# Altium PCB openmv-ae3.PcbDoc (part 1 of 5) (continued)
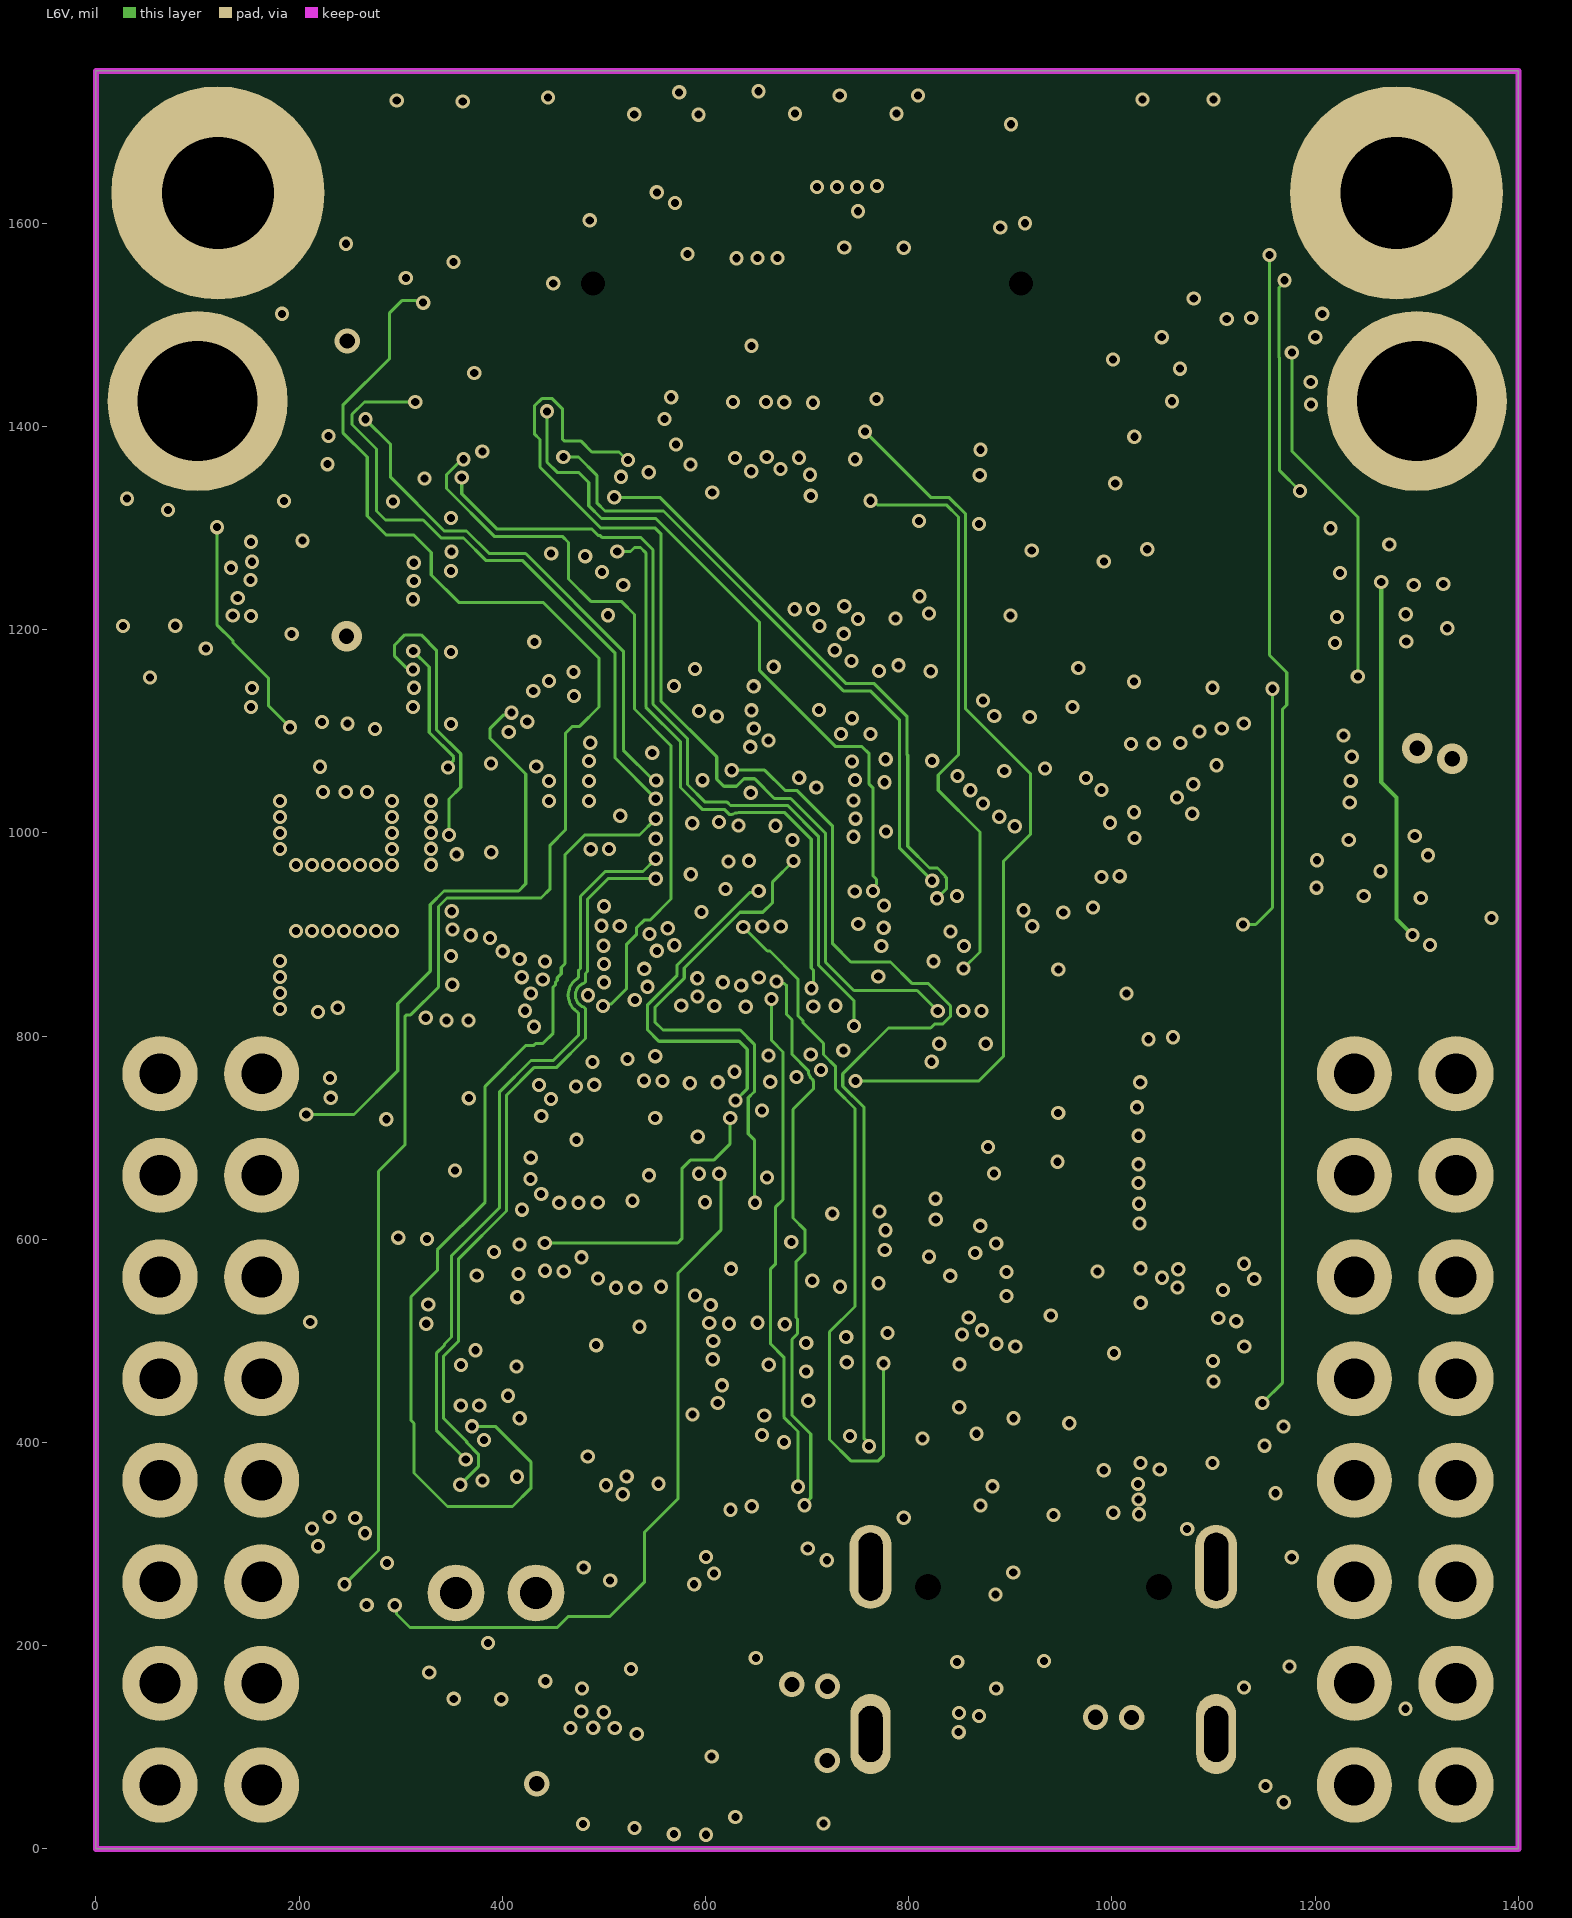
[diagram p6: L6V]
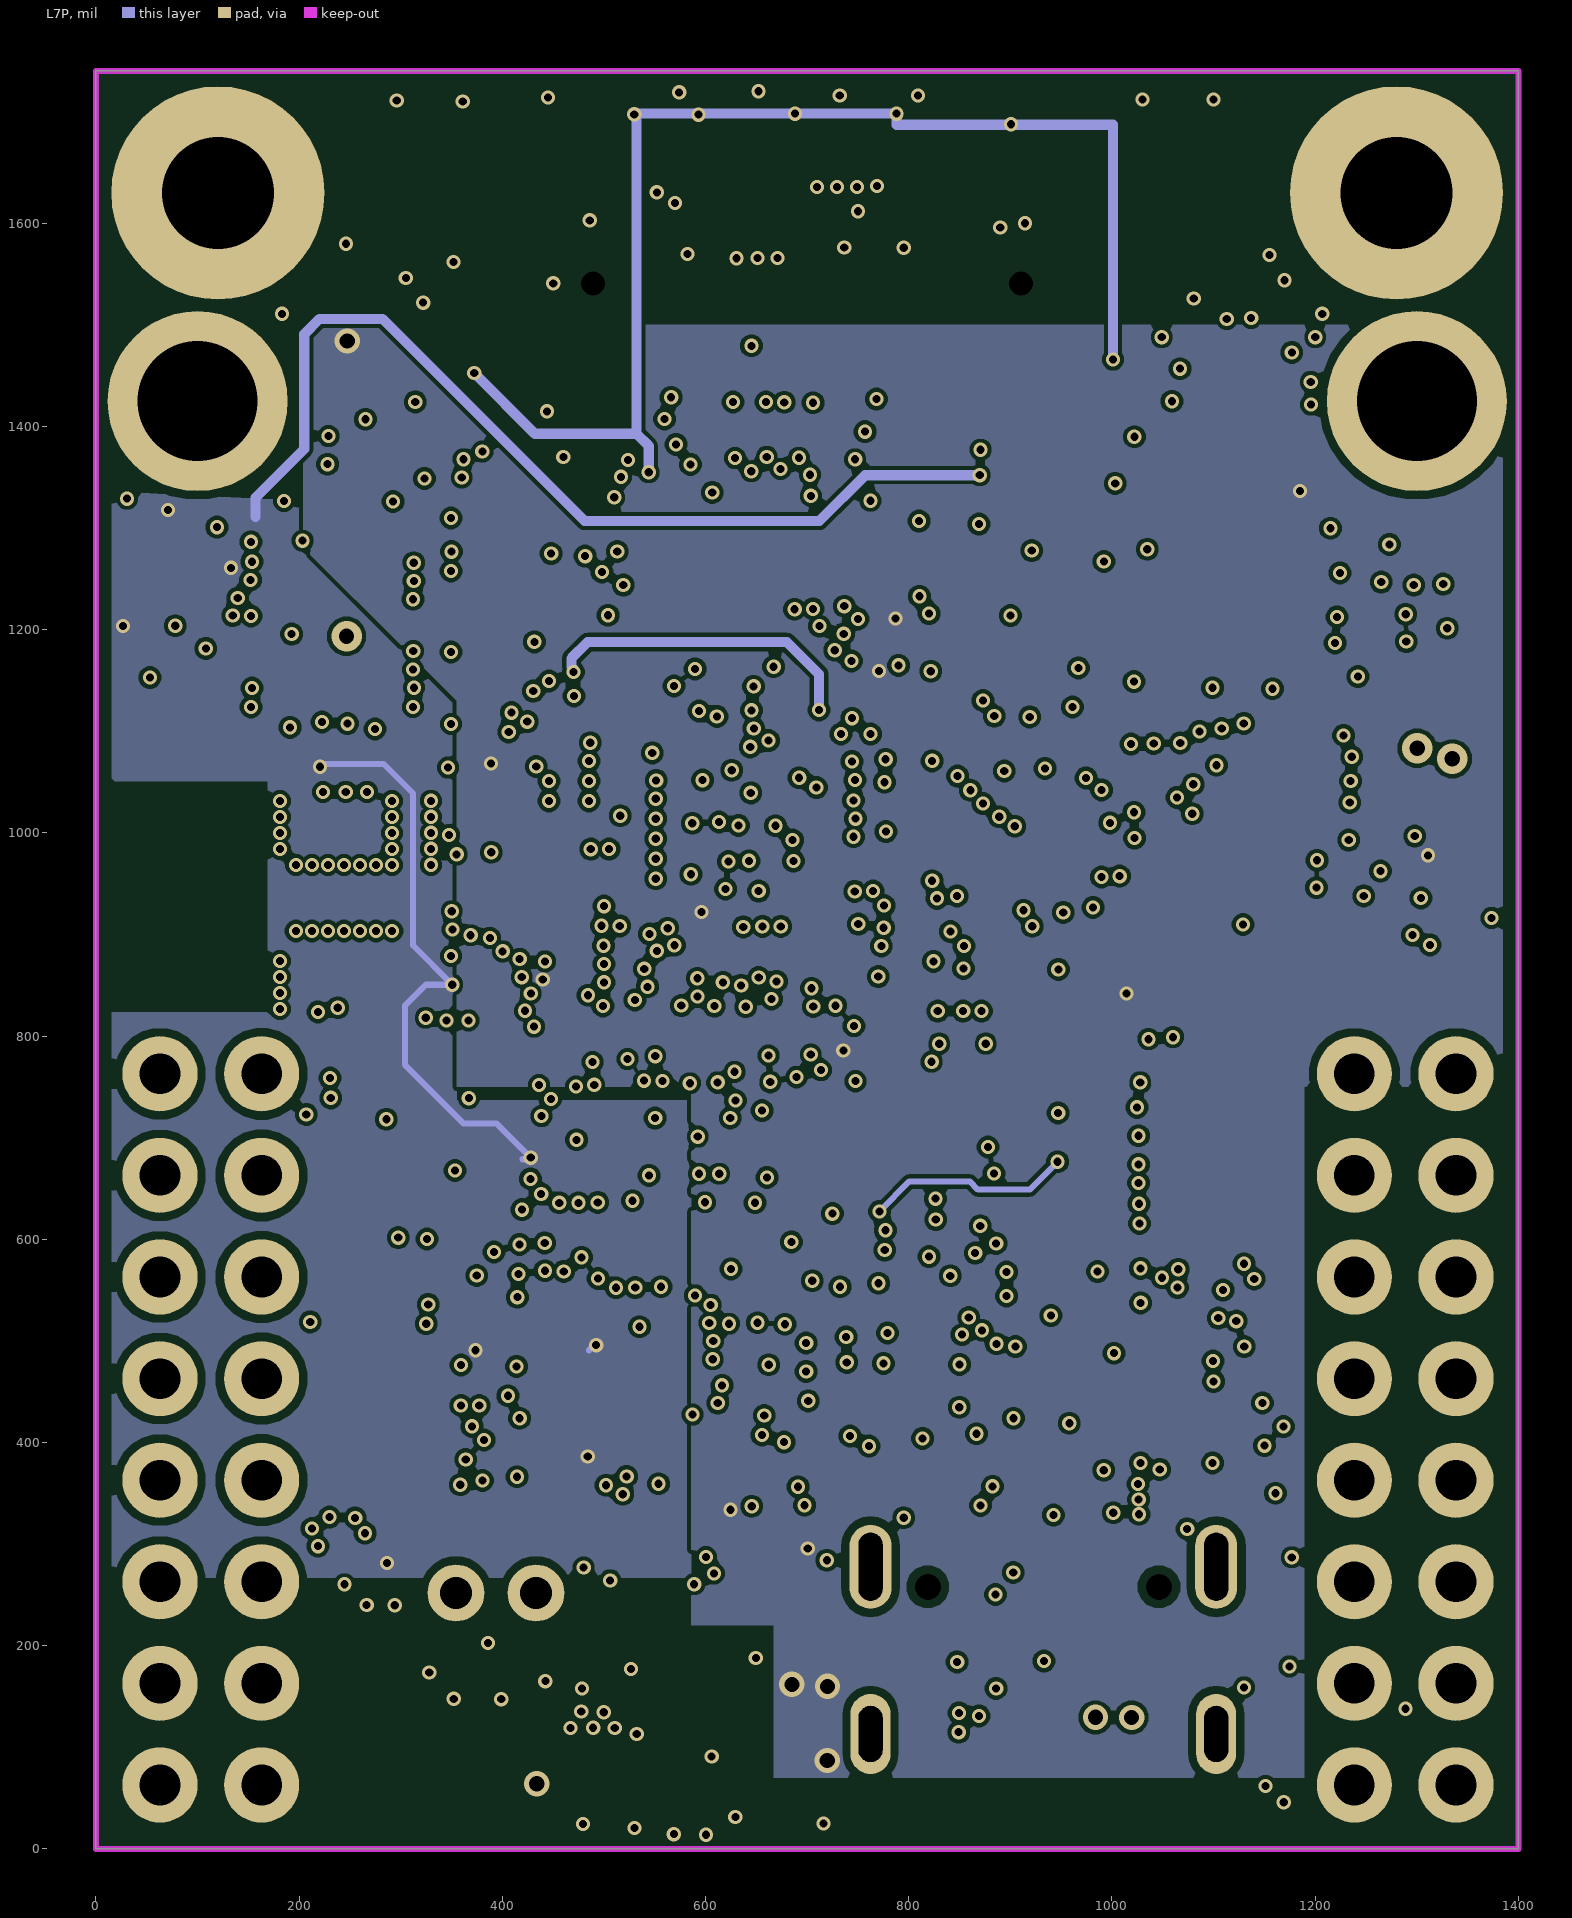
[diagram p7: L7P]
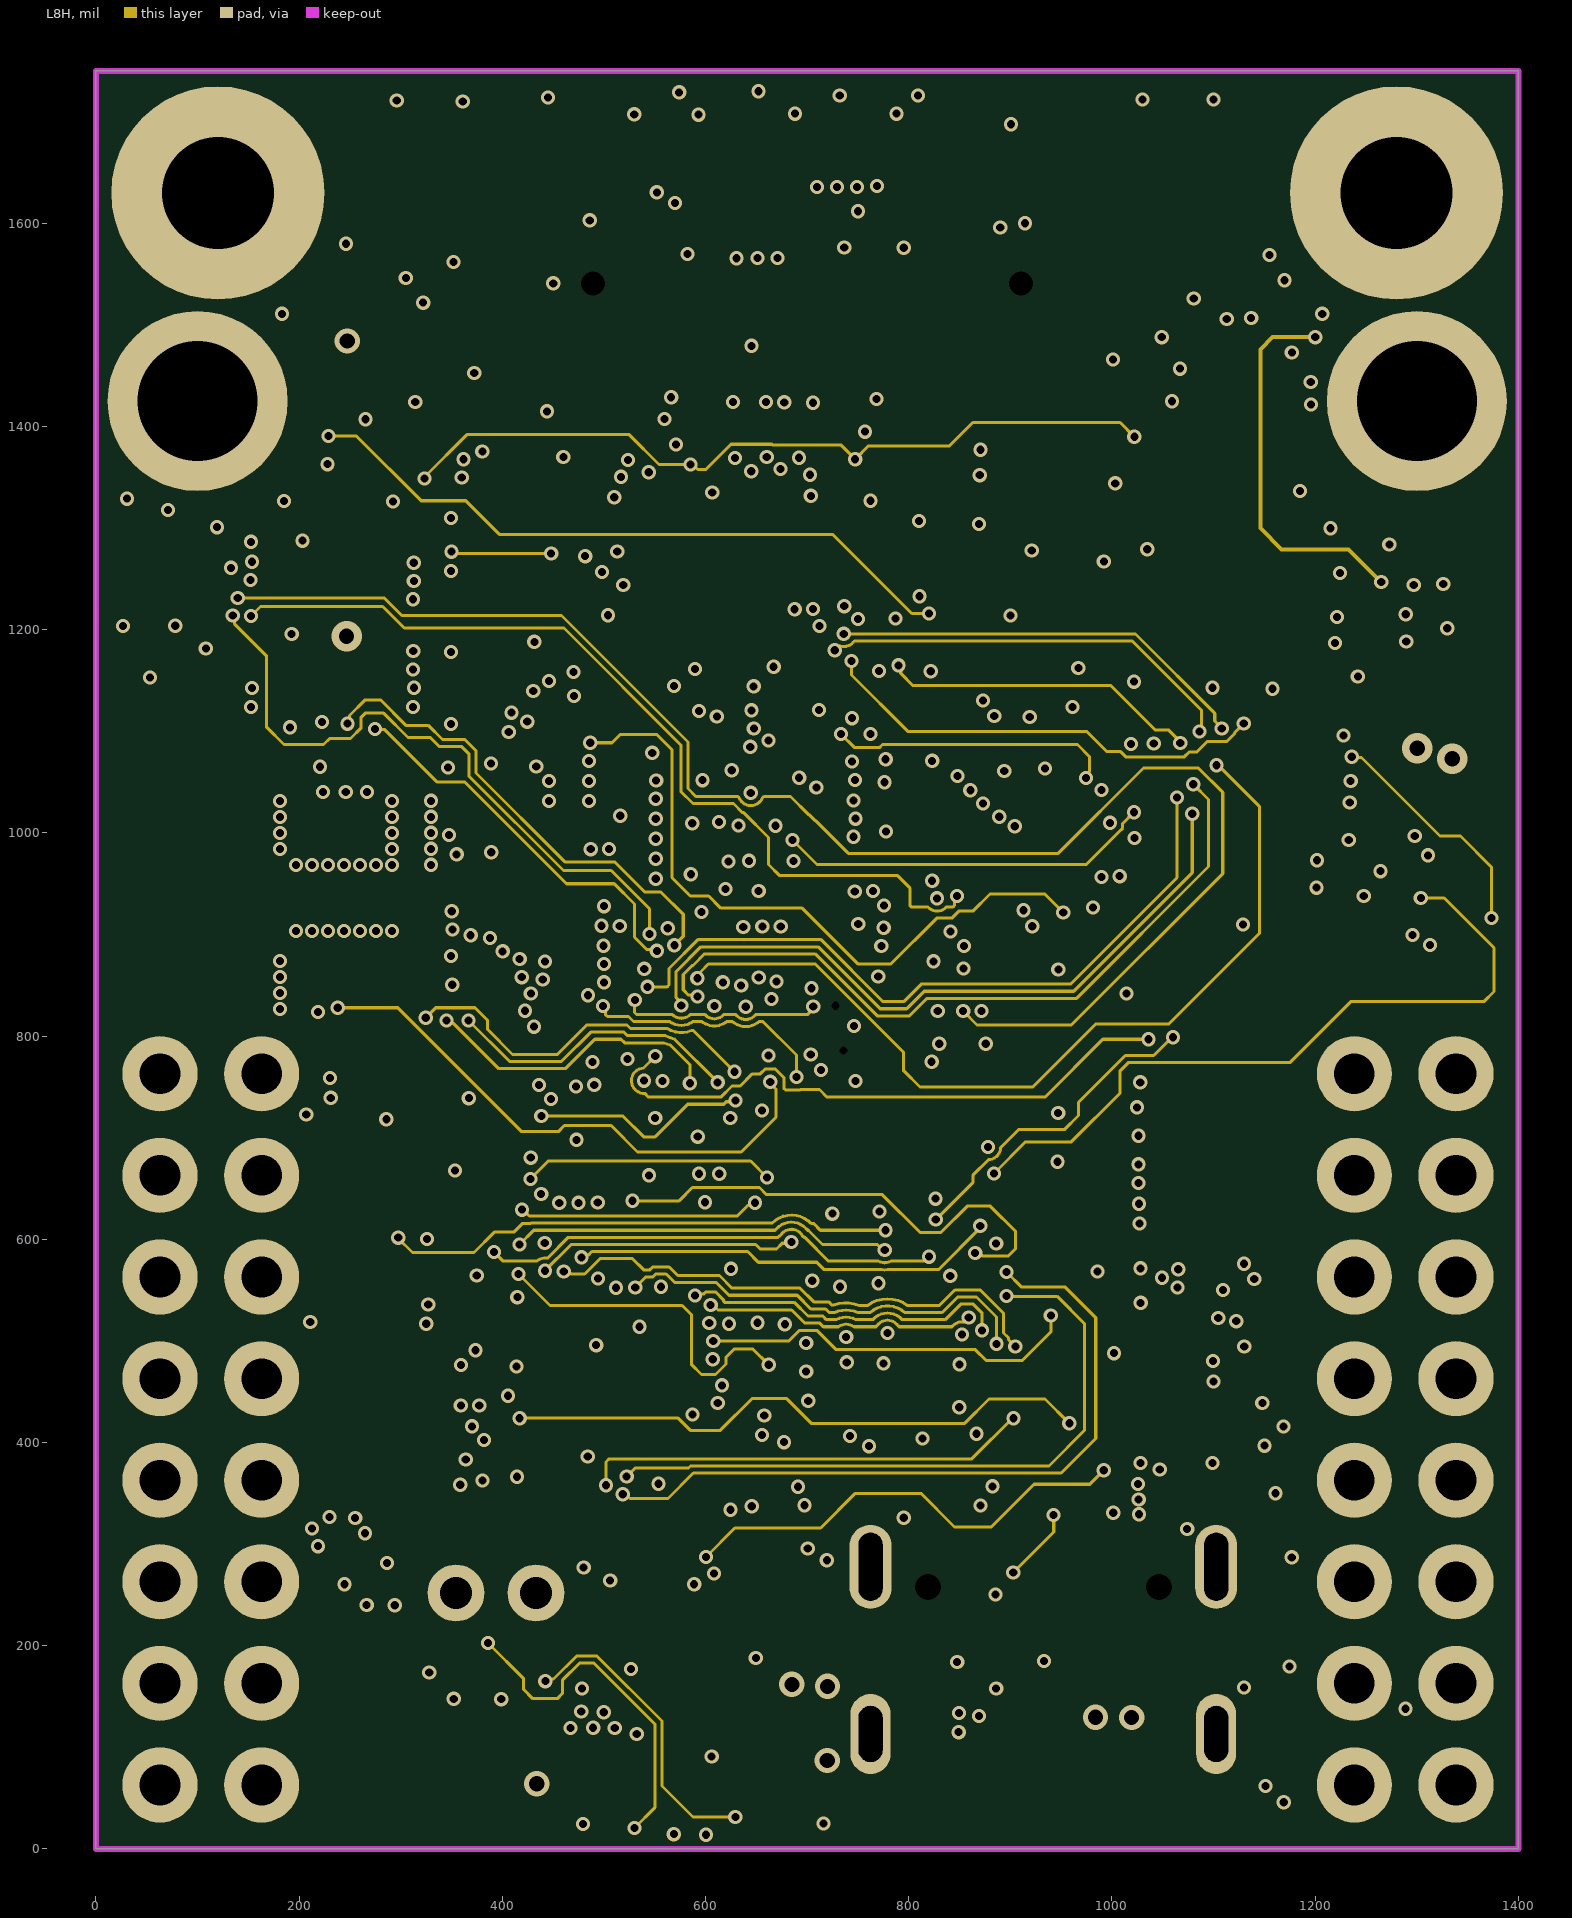
[diagram p8: L8H]
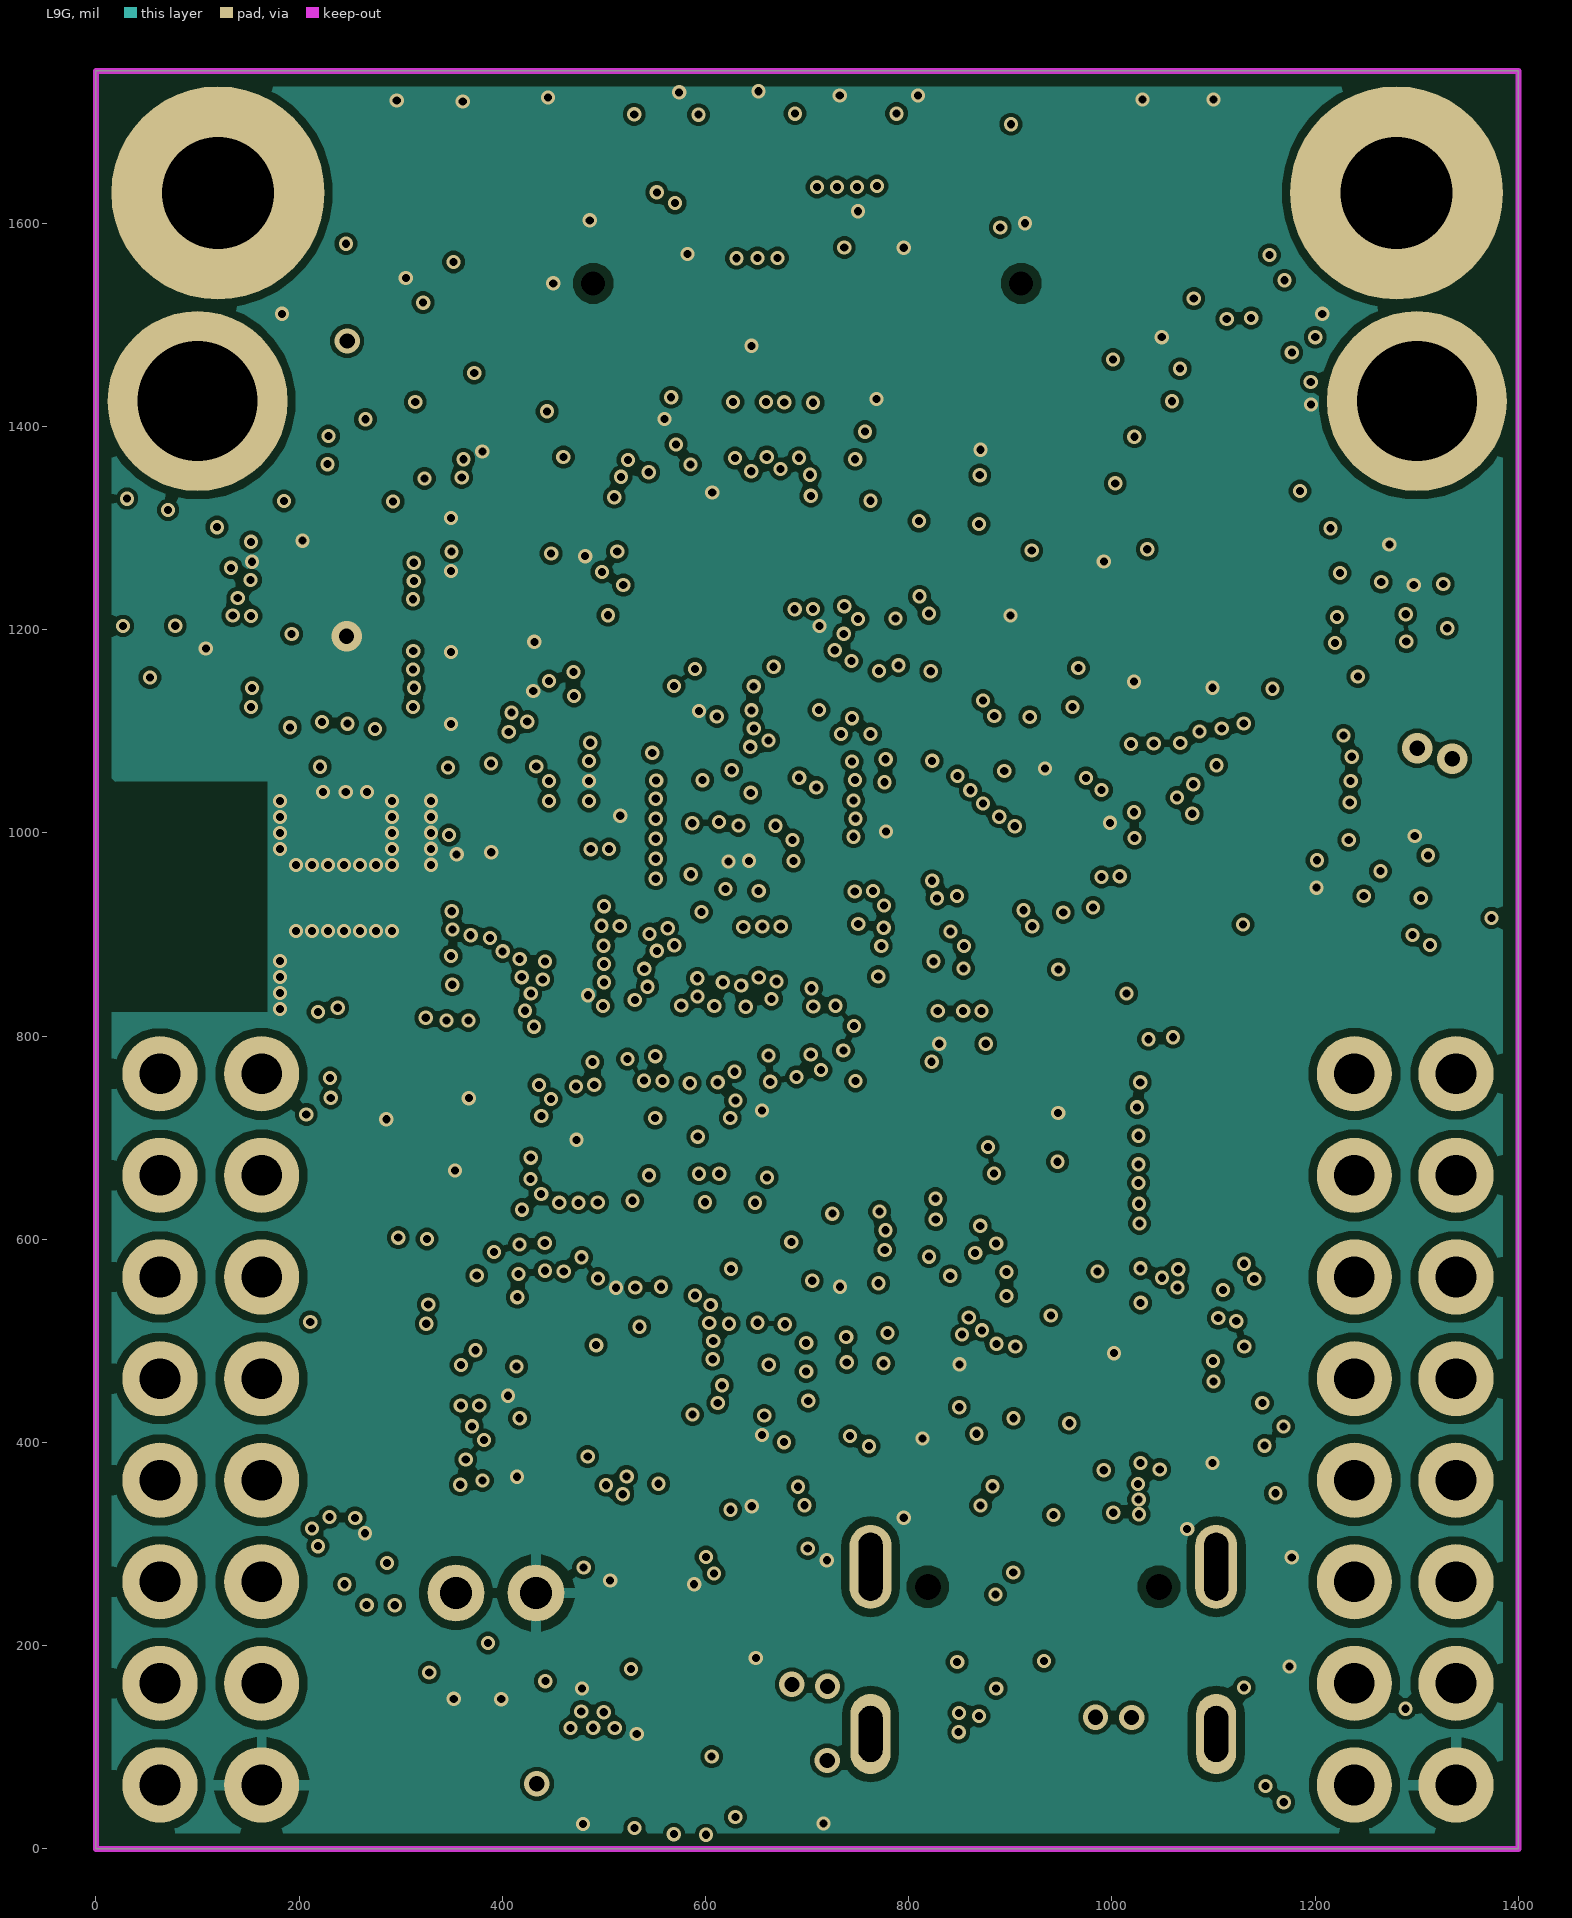
[diagram p9: L9G]
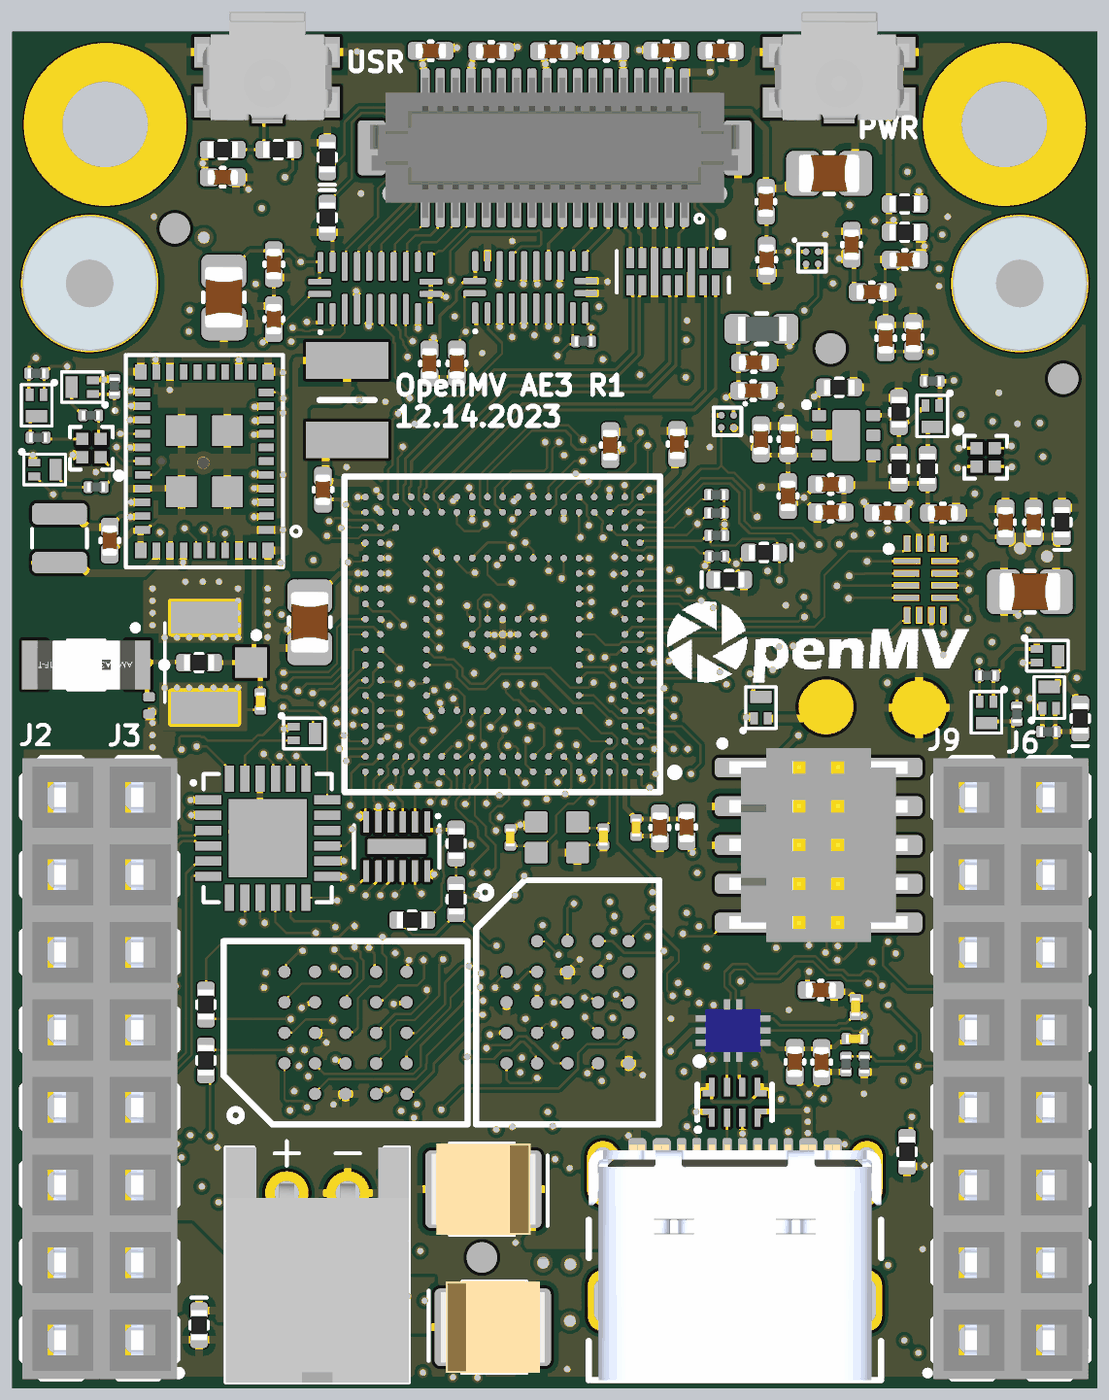
[diagram p14: 3D render of the assembled board from above, using the file's embedded part models]
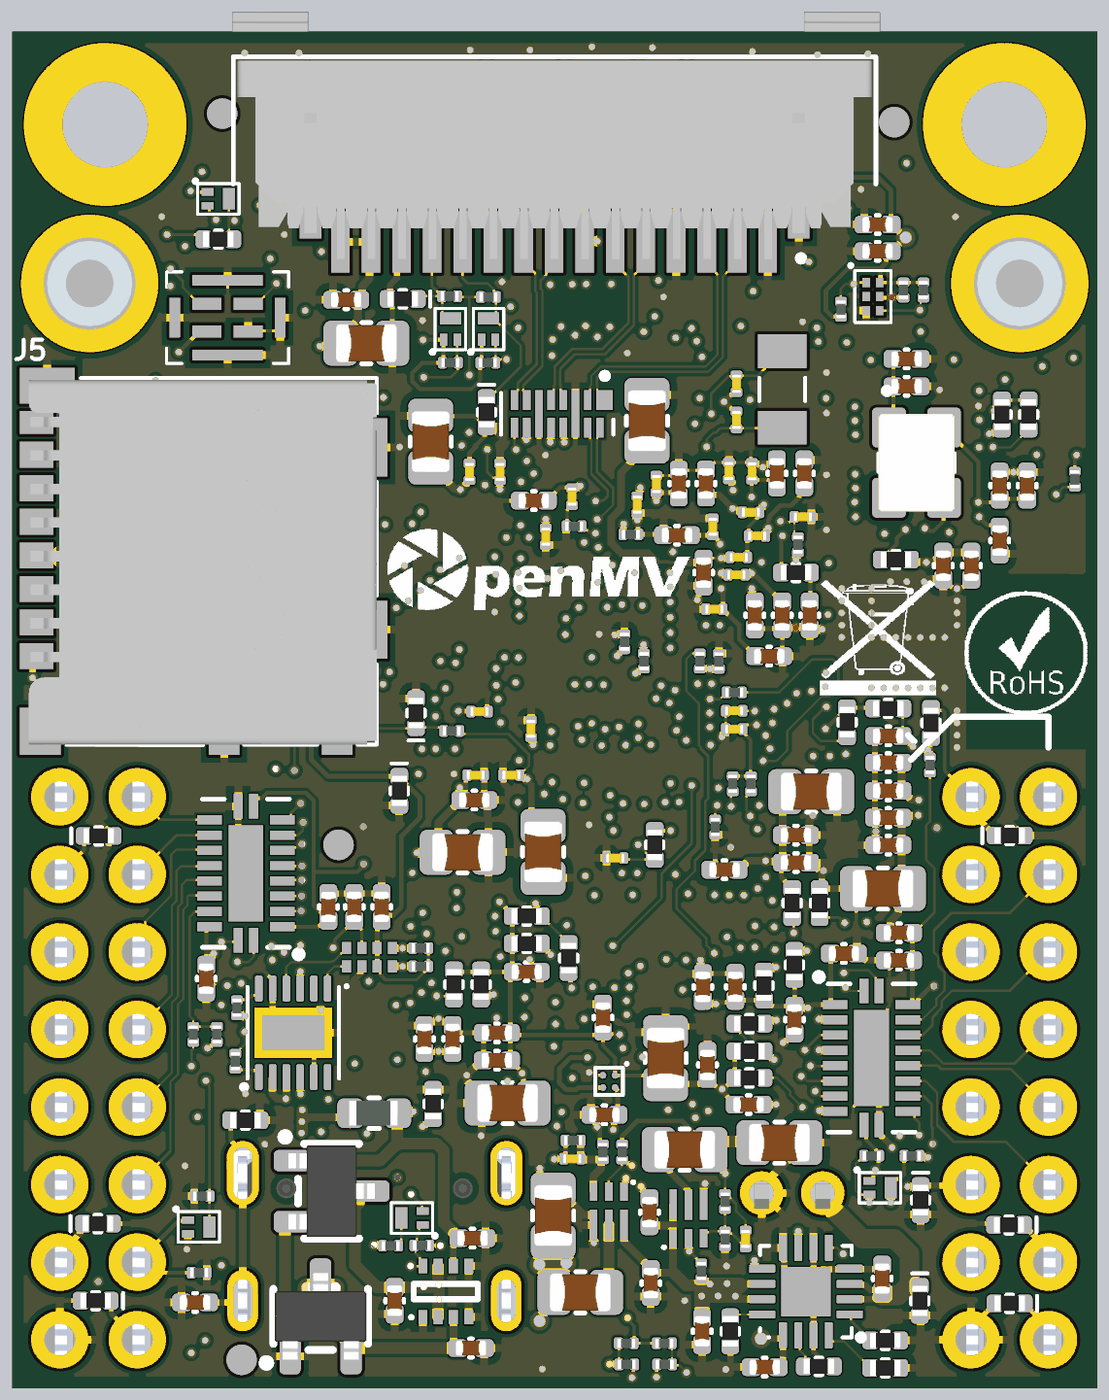
[diagram p15: 3D render of the assembled board from below, using the file's embedded part models]

## Layer stack, top to bottom
Top Solder: solder mask 0.4, Solder Resist, Dk 3.5
Top: signal copper 0.689
Dielectric 2: prepreg 2.874, PP-006, Dk 4.1
L2G: signal copper 1.378
Dielectric 3: prepreg 2.8, PP-006, Dk 4.1
L3V: signal copper 1.378
Dielectric 8: prepreg 2.8, PP-006, Dk 4.1
L4P: signal copper 1.378
Dielectric 6: prepreg 5.512, PP-006, Dk 4.1
L5H: signal copper 1.378
Dielectric 1: dielectric 5.906, FR-4, Dk 4.8
L6V: signal copper 1.378
Dielectric 7: prepreg 5.512, PP-006, Dk 4.1
L7P: signal copper 1.378
Dielectric 9: prepreg 2.8, PP-006, Dk 4.1
L8H: signal copper 1.378
Dielectric 4: prepreg 2.8, PP-006, Dk 4.1
L9G: signal copper 1.378
Dielectric 5: prepreg 2.874, PP-006, Dk 4.1
Bottom Layer: signal copper 0.689
Bottom Solder: solder mask 0.4, Solder Resist, Dk 3.5

## Board outline
0,0 0,1750 1400,1750 1400,0

## Design rules (kind name [scope] priority, off if disabled: settings)
BoardOutlineClearance [All] p1: gap=10 ignorepadtopadclearanceinfootprint=FALSE except(0: Arc-SplitContinuation Track-SplitContinuation SMDPad-SplitContinuation THPad-SplitContinuation Via-SplitContinuation Fill-SplitContinuation Poly-SplitContinuation Region-SplitContinuation Text-SplitContinuation; 15: Arc-OutlineEdge Track-OutlineEdge Via-OutlineEdge Fill-OutlineEdge Poly-OutlineEdge Region-OutlineEdge)
Clearance [All] p1: gap=4 ignorepadtopadclearanceinfootprint=FALSE except(3.94: Arc-SMDPad Track-SMDPad; 8: THPad-Fill THPad-Poly THPad-Region)
ComponentClearance [All vs not InComponent('J2') and not InComponent('J3') and not InComponent('J6') and not InComponent('J9') and not InComponent('P1') and not InComponent('P2') and not InComponent('J10') and not InComponent('L6')] p1: gap=0 collisioncheckmode=3 verticalgap=0 showdistances=FALSE
DiffPairsRouting [All] p1: maxlimit=10 minlimit=4 mostfreqgap=4 toplayer_minwidth=3 toplayer_maxwidth=4 toplayer_prefwidth=4 midlayer1_minwidth=3 midlayer1_maxwidth=4 midlayer1_prefwidth=4 midlayer2_minwidth=3 midlayer2_maxwidth=4 midlayer2_prefwidth=4 midlayer3_minwidth=3 midlayer3_maxwidth=4 midlayer3_prefwidth=4 midlayer4_minwidth=3 midlayer4_maxwidth=4 midlayer4_prefwidth=4 midlayer5_minwidth=3 midlayer5_maxwidth=4 midlayer5_prefwidth=4 midlayer6_minwidth=3 midlayer6_maxwidth=4 midlayer6_prefwidth=4 midlayer7_minwidth=3 midlayer7_maxwidth=4 midlayer7_prefwidth=4 midlayer8_minwidth=3 midlayer8_maxwidth=4 midlayer8_prefwidth=4 bottomlayer_minwidth=3 bottomlayer_maxwidth=4 bottomlayer_prefwidth=4 maxuncoupledlength=500
PolygonConnect [All] p1: thpad.connectstyle=Relief thpad.reliefconductorwidth=10 thpad.reliefentries=4 thpad.polygonreliefangle="90 Angle" thpad.airgapwidth=10 smdpad.connectstyle=Relief smdpad.reliefconductorwidth=10 smdpad.reliefentries=4 smdpad.polygonreliefangle="90 Angle" smdpad.airgapwidth=10 via.connectstyle=Direct via.reliefconductorwidth=10 via.reliefentries=4 via.polygonreliefangle="90 Angle" via.airgapwidth=10
RoomDefinition usb [InComponentClass('usb')] p1: confinementstyle=ConfineIn formatcopy=TRUE lockcomponents=FALSE outline 3208.66,1486.22 4989.17,1486.22 4989.17,2059.06 3208.66,2059.06
RoutingVias [All] p1: holewidth=8 width=14 viastyle="Through Hole" minholewidth=8 minwidth=14 maxholewidth=100 maxwidth=200
SolderMaskExpansion [All] p1: expansion=4 istentingtop=FALSE
Width [All] p1: maxlimit=300 minlimit=3 preferedwidth=3
28 further rules are at their usual default settings.
